# Altium PCB MODULE_GSM_GNSS_v1.1.PcbDoc (part 2 of 2)
Units mm, origin at the board's own origin, x right, y up, seen from the top; angles counter-clockwise.
Board outline 87.3 x 95.5 mm, 4 copper layers (Top Layer, Int1 (GND), Int2 (PWR), Bottom Layer), stack 1.369 mm thick; 169 components, 97 nets, 647 pads, 309 vias.
Unrouted connection lines stored in the file: 5.
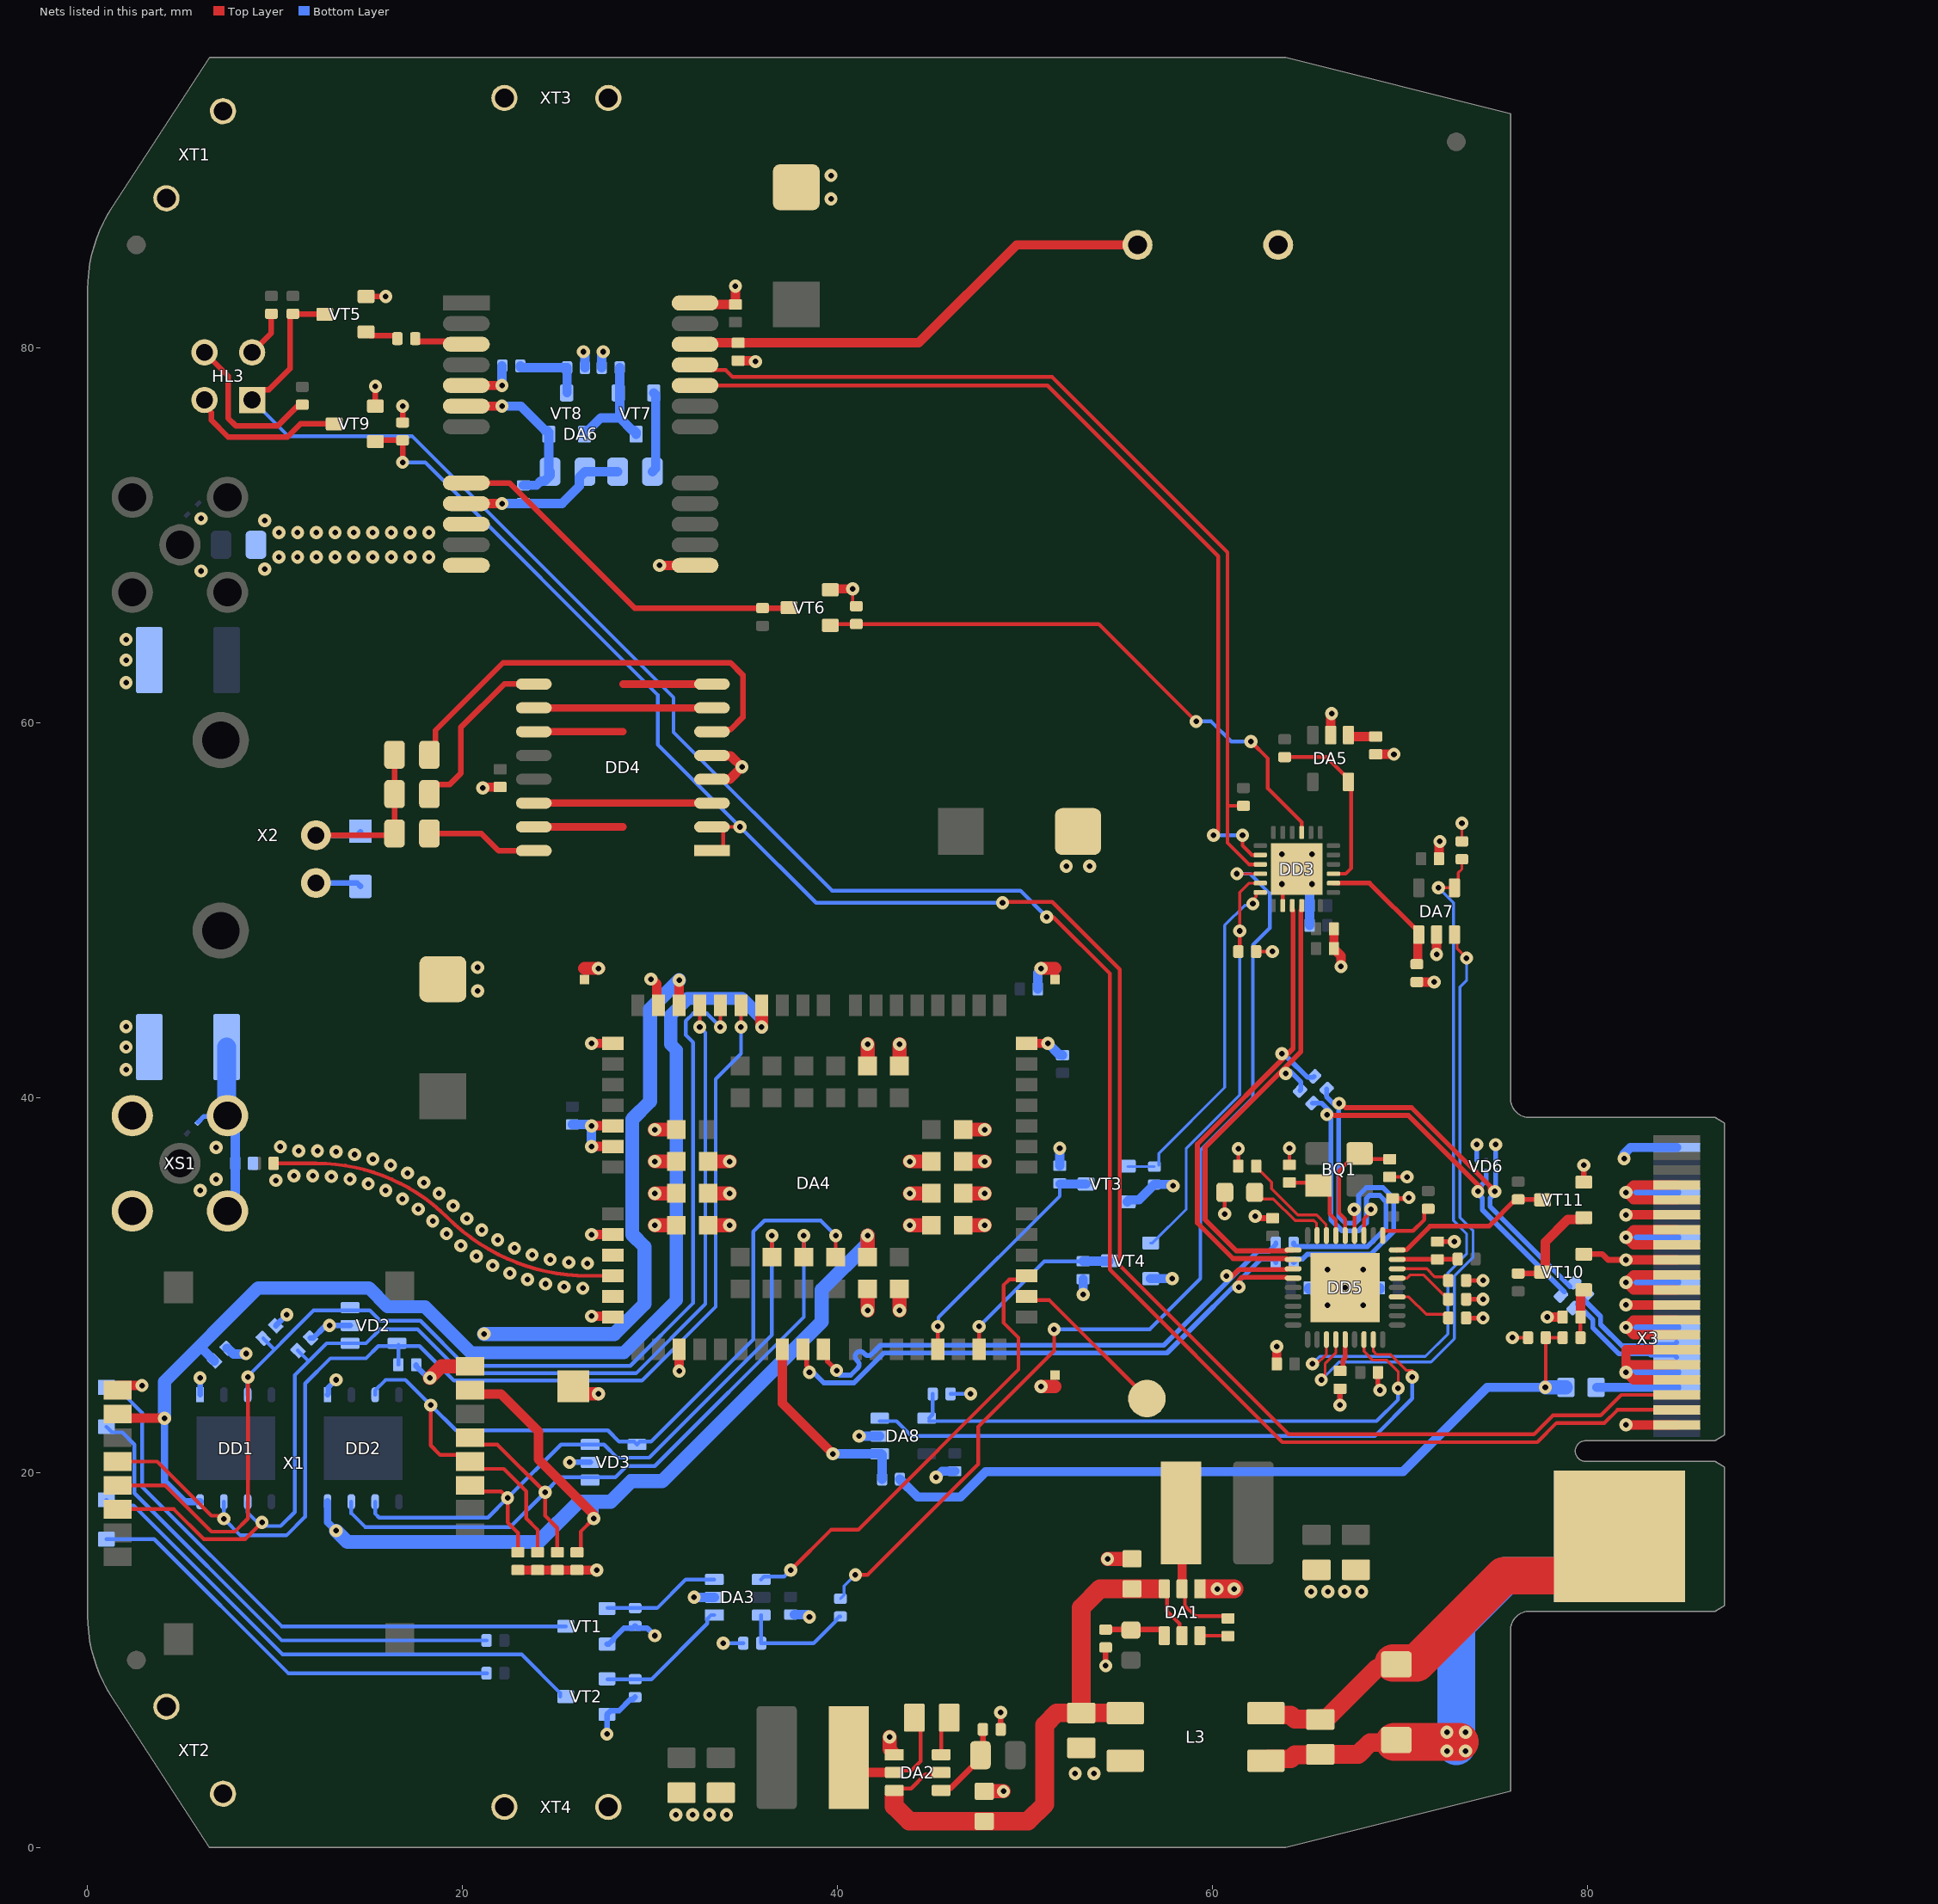
[diagram p4: the nets of this part, all layers, seen from the top]

## Via types
v1: diameter 0.7, hole 0.3, Top Layer to Bottom Layer, tented both sides, 300 vias
v2: diameter 0.7, hole 0.3, Top Layer to Bottom Layer, tented bottom, 9 vias

## Nets (pads, with @x,y where several pads share a name; then routed paths per layer and width w, separated by ;. In a path a pad name is that pad's centre, name@x,y a point inside that pad or via, vN(x,y) a via of type N, cw(c..) or ccw(c..) an arc to the next point about the centre after c; other vN are vias at no path point) (continued)
GND: C1.2 C2.2 C6.2 C7.2 C8.1 C9.2 C10.2 C11.2 C12.2 C13.2 C23.1 C24.1 C25.1 C26.C C28.1 C29.C C30.2 C31.1 C32.1 C33.2 C34.2 C35.2 C36.C C37.1 C39.1 C41.2 C42.2 C43.2 C44.2 C45.2 C46.1 C47.2 C48.2 C49.2 C50.2 C51.2 C52.2 C53.1 C54.1 DA1.1 DA2.1 DA3.2 DA4.3 DA4.31 DA4.48 DA4.50 DA4.54 DA4.55 DA4.58 DA4.59 DA4.61 DA4.62 DA4.67 DA4.68 DA4.69 DA4.70 DA4.71 DA4.72 DA4.73 DA4.74 DA4.79 DA4.80 DA4.81 DA4.82 DA4.89 DA4.90 DA4.91 DA4.100 DA4.101 DA4.102 DA4.103 DA4.104 DA4.105 DA4.106 DA5.2 DA6.10 DA6.12 DA6.13 DA6.24 DA7.2 DA8.2 DD3.2 DD3.EP DD4.4 DD4.5 DD5.EP G1.C L3.4 R2.2 R4.2 R6.1 R8.1 R9.2 R10.2 R12.1 R18.2 R22.2 R23.1 R25.2 R27.2 R32.1 R35.1 R36.1 R38.2 R44.1 R45.1 R46.1 VD5.A VD6.4 VT1.2 VT2.2 VT3.2 VT4.2 VT5.2 VT6.2 VT9.2 VT10.2 VT11.2 X2.2 X3.1 X3.7 X3.9 X3.10 X3.11 X3.13 X3.15 X3.16 X3.17 X3.19 X3.21 X3.22 X3.23 X3.25 X3.27 X3.28 X3.29 X3.31 X3.33 X3.34 X3.40 | length 175.1
  Top Layer w0.15: v1(40.8,67.15) 40.8,66.422 40.997,66.225 R18.2@41,66.225 ; R45.1@73.3,53.675 v1(73.3,54.65)
  Top Layer w0.2: v1(60.65,33.8) R44.1@60.65,34.95 ; C45.2@61.375,36.35 v1(61.375,37.275) ; R10.2@62.325,47.8 v1(63.2,47.8) ; DD3.2@63.75,50.25 DD3.EP@63.75,51.45 ; C42.2@64.1,36.425 v1(64.1,37.3) ; C43.2@69.45,35.775 v1(70.375,35.775) ; v1(76,27.2) R38.2@76.825,27.2
  Top Layer w0.25: v1@68.825,24.4 C50.2@68.825,25.35 ; C51.2@69.6,34.625 v1@70.475,34.625 ; C41.2@72,32.325 v1(72.9,32.325) ; R32.1@73.525,28.25 v1(74.425,28.25) ; R35.1@73.525,29.25 v1(74.425,29.25) ; R36.1@73.525,30.25 v1(74.425,30.25)
  Top Layer w0.3: VT5.2@14.85,82.75 v1(15.9,82.75) ; VT9.2@15.35,76.9 v1(15.35,77.95) ; R27.2@16.8,76.025 v1(16.8,76.9) ; R4.2@48.7,6.3 v1(48.7,7.2) ; v1(54.3,9.7) R2.2@54.3,10.675 ; v1@62.275,33.575 C52.2@63.2,33.575 ; v1(66.8,23.6) C44.2@66.8,24.475 ; VT10.2@79.8,31.65 80.8,31.65 81.1,31.35 v1(82.05,31.35) ; VT11.2@79.8,35.5 v1(79.8,36.4)
  Top Layer w0.4: v1(26.416,29.84) v1@26.497,29.84 ; v1(26.659,31.164) v1@26.74,31.164 ; DA4.105@51.6,46.3 51.6,46.9
  Top Layer w0.5: v1@21.075,56.575 C39.1@22,56.575 ; v1(26.875,28.35) DA4.62@28.025,28.35 ; v1(26.875,32.7) DA4.58@28.025,32.7 ; v1(26.875,37.4) DA4.55@28.025,37.4 ; v1(26.875,38.5) DA4.54@28.025,38.5 ; v1(26.875,42.9) DA4.50@28.025,42.9 ; v1@30.075,46.35 30.35,46.075 DA4.48@30.35,44.925 ; v1(30.5,68.4) DA6.13@32.4,68.4 ; v1(31.55,25.425) DA4.3@31.55,26.575 ; DA6.24@32.4,82.4 33.331,82.4 33.406,82.325 C35.2@34.55,82.325 v1(34.55,83.3) ; DD4.5@33.319,58.241 34.309,58.241 v1(34.9,57.65) 34.25,57 DD4.4@33.34,57 ; C37.1@34.7,79.325 v1@35.625,79.325 ; VT6.2@39.663,67.15 v1(40.8,67.15) ; DA4.31@50.075,42.9 v1(51.225,42.9) ; C49.2@63.425,25.8 v1(63.425,26.725) ; DA5.2@66.3,59.35 v1@66.3,60.5 ; C33.2@66.475,49.01 C31.1@66.475,47.96 66.475,47.89 66.5,47.865 66.557,47.865 66.85,47.572 v1(66.85,47) ; C30.2@68.7,58.325 v1(69.675,58.325) ; v1(71.95,47.65) DA7.2@71.95,48.7 ; C53.1@72.075,52.75 v1@72.075,53.675 ; v1(77.85,28.3) C46.1@78.675,28.3 ; v1(82.05,22.55) X3.1@84.75,22.55 ; v1(82.05,28.95) X3.17@84.75,28.95 ; v1(82.05,31.35) X3.23@84.75,31.35 ; v1(82.05,33.75) X3.29@84.75,33.75 ; X3.7@84.75,24.95 82.45,24.95 v1(82.05,25.35) 82.05,25.75 ; X3.9@84.75,25.75 82.05,25.75 ; X3.11@84.75,26.55 82.05,26.55 82.05,25.75 ; X3.13@84.75,27.35 82.45,27.35 v1(82.05,27.75) 82.45,28.15 X3.15@84.75,28.15 ; X3.19@84.75,29.75 82.45,29.75 v1(82.05,30.15) 82.45,30.55 X3.21@84.75,30.55 ; X3.25@84.75,32.15 82.45,32.15 v1(82.05,32.55) 82.45,32.95 X3.27@84.75,32.95 ; X3.31@84.75,34.55 82.45,34.55 v1(82.05,34.95) 82.45,35.35 X3.33@84.75,35.35
  Top Layer w0.7: DA4.103@26.5,24.2 v1(27.25,24.2) ; 26.5,46.9 v1(27.25,46.9) ; v1(50.85,24.6) 51.6,24.6 ; v1(50.85,46.9) 51.6,46.9
  Top Layer w0.75: v1(30.25,33.2) DA4.82@31.4,33.2 ; v1(30.25,34.9) DA4.81@31.4,34.9 ; v1(30.25,36.6) DA4.80@31.4,36.6 ; v1(30.25,38.3) DA4.79@31.4,38.3 ; DA4.102@33.1,33.2 v1(34.25,33.2) ; DA4.101@33.1,34.9 v1(34.25,34.9) ; DA4.100@33.1,36.6 v1(34.25,36.6) ; v1(41.6,28.65) DA4.67@41.6,29.8 ; DA4.74@41.6,41.7 v1(41.6,42.85) ; v1(42.775,5.9) 42.775,5.225 DA2.1@42.95,5.05 ; v1(43.3,28.65) DA4.68@43.3,29.8 ; DA4.73@43.3,41.7 v1(43.3,42.85) ; v1(43.85,33.2) DA4.89@45,33.2 ; v1(43.85,34.9) DA4.90@45,34.9 ; v1(43.85,36.6) DA4.91@45,36.6 ; DA4.69@46.7,33.2 v1(47.85,33.2) ; DA4.70@46.7,34.9 v1(47.85,34.9) ; DA4.71@46.7,36.6 v1(47.85,36.6) ; DA4.72@46.7,38.3 v1(47.85,38.3) ; C2.2@47.825,3 v1(48.85,3) ; v1(54.4,15.4) C1.2@55.7,15.4
  Top Layer w1: DA1.1@59.625,13.8 v1(60.25,13.8) v1(61.15,13.8)
  Bottom Layer w0.2: v1(33.9,10.9) R12.1@34.975,10.9 ; R46.1@46.025,24.2 v1(47.1,24.2)
  Bottom Layer w0.25: VD6.4@74.1,36.65 v1(74.1,37.5)
  Bottom Layer w0.3: X2.2@12.18,51.46 14.375,51.46 VD5.A@14.55,51.285 ; v1(27.7,6.05) VT2.2@27.7,7.1 27.9,7.3 28.35,7.3 28.95,7.9 29.075,7.9 R8.1@29.2,8.025 ; VT1.2@27.7,10.85 27.8,10.85 28.05,11.1 28.05,11.15 28.6,11.7 29.075,11.7 R6.1@29.2,11.825 29.325,11.7 29.85,11.7 v1(30.25,11.3)
  Bottom Layer w0.5: C24.1@25.85,38.575 26.746,38.575 26.875,38.446 v1(26.875,37.4) ; v1(26.45,79.8) 26.525,79.725 R23.1@26.525,78.95 ; R22.2@27.425,78.95 27.425,79.725 v1(27.5,79.8) ; v1(32.35,13.35) DA3.2@33.425,13.35 ; C13.2@37.69,12.425 38.375,12.425 v1(38.5,12.3) ; v1(41.15,21.95) DA8.2@42.25,21.95 ; v1(45.25,19.75) 45.575,20.075 C54.1@46.25,20.075 ; C28.1@50.675,45.8 50.675,46.671 50.85,46.846 v1(50.85,46.9) ; v1(51.225,42.9) 51.825,42.3 51.975,42.3 C23.1@52,42.275 ; C11.2@51.85,36.375 v1(51.85,37.3) ; v1(53.1,29.5) C12.2@53.1,30.325 ; VT3.2@55.45,34.45 55.55,34.55 56.075,34.55 R9.2@56.9,35.375 v1@57.825,35.375 ; VT4.2@56.7,30.35 v1(57.85,30.35) ; C47.2@65.125,29.85 65.125,29.78 65.15,29.755 65.295,29.755 v2(66.125,28.925) ; C32.1@65.175,49.2 C34.2@65.175,50.25 65.175,51.221 65.3,51.346 v2(65.3,51.4) ; v2(68.025,28.925) 68.855,29.755 68.9,29.755 68.925,29.78 C48.2@68.925,29.85 ; v1(81.95,36.75) 81.95,37 82.3,37.35 X3.40@84.75,37.35 ; v1(82.05,25.35) X3.10@84.75,25.35 ; v1(82.05,27.75) X3.16@84.75,27.75 ; v1(82.05,30.15) X3.22@84.75,30.15 ; v1(82.05,32.55) X3.28@84.75,32.55 ; v1(82.05,34.95) X3.34@84.75,34.95
  other v1: 31.375,1.75 32.275,1.75 33.175,1.75 34.075,1.75 52.675,3.95 53.675,3.95 65.25,13.65 66.15,13.65 67.05,13.65 67.95,13.65 68.925,24.4 25.418,29.909 24.43,30.066 23.461,30.31 22.516,30.639 21.605,31.051 25.66,31.217 24.672,31.371 20.734,31.542 23.704,31.624 22.767,31.973 19.91,32.108 21.87,32.415 19.139,32.746 21.022,32.945 18.407,33.426 20.231,33.557 62.275,33.675 17.632,34.058 19.498,34.237 16.793,34.603 70.475,34.675 18.744,34.894 6,35.05 15.901,35.055 57.9,35.3 14.966,35.409 17.932,35.477 10.038,35.59 6.85,35.65 13.998,35.661 13.008,35.798 11.008,35.831 12.008,35.831 17.067,35.98 16.16,36.399 15.216,36.731 14.245,36.971 13.256,37.118 11.258,37.169 12.258,37.171 6.85,37.35 10.281,37.383 20.8,45.7 30.05,46.325 20.8,46.95 52.2,52.35 53.45,52.35 72.125,53.675 21.075,56.525 66.35,60.5 6.05,68.1 9.45,68.2 10.2,68.85 11.2,68.85 12.2,68.85 13.2,68.85 14.2,68.85 15.2,68.85 16.2,68.85 17.2,68.85 18.2,68.85 10.2,70.15 11.2,70.15 12.2,70.15 13.2,70.15 14.2,70.15 15.2,70.15 16.2,70.15 17.2,70.15 18.2,70.15 9.45,70.8 6.05,70.9 35.625,79.275 39.65,87.95 39.65,89.2
  other v2: 67.075,29.875 66.125,30.825 68.025,30.825 63.7,51.4 63.7,53 65.3,53
GNSS_PPS: DA6.3 R16.1 | length 2.9
  Top Layer w0.3: R16.1@17.475,80.5 17.475,80.475 17.6,80.35 19.065,80.35 19.215,80.2 DA6.3@20.2,80.2
GNSS_RESET: DD3.15 R18.1 VT6.1 | length 30.9
  Top Layer w0.2: VT6.1@39.688,65.275 R18.1@41,65.275 53.925,65.275 v1(59.125,60.075) ; v1(62.05,59) 62.95,58.1 62.95,56.5 64.75,54.7 DD3.15@64.75,54.15
  Bottom Layer w0.2: v1(59.125,60.075) 59.925,60.075 61,59 v1(62.05,59)
GSM_PWRKEY: DD3.24 R9.1 VT3.1 | length 18.4
  Top Layer w0.15: v1@62.2,50.45 62.2,50.6 62.322,50.722 62.322,50.9 62.372,50.95 DD3.24@62.55,50.95
  Bottom Layer w0.15: VT3.1@55.475,36.325 R9.1@56.9,36.325 ; R9.1@57.135,36.4 57.135,37.035 60.65,40.55 60.65,49.2 61.718,50.268 62.068,50.268 v1(62.15,50.35)
GSM_RESET: DD3.23 R10.1 VT4.1 | length 23.2
  Top Layer w0.15: v1(61.45,48.9) 61.45,50.95 61.95,51.45 DD3.23@62.55,51.45
  Top Layer w0.2: R10.1@61.375,47.8 61.45,47.875 v1(61.45,48.9)
  Bottom Layer w0.15: VT4.1@56.7,32.25 56.793,32.25 58.6,34.057 58.6,37.3 61.45,40.15 v1(61.45,48.9)
GSM_SIM_SEL: DD3.22 R11.1 | length 53.8
  Top Layer w0.15: v1@61.4,51.95 DD3.22@62.55,51.95
  Top Layer w0.2: v1(40.95,14.55) 41.6,14.55 47.5,20.45 47.5,22.45 51.55,26.5 v1(51.55,27.65)
  Bottom Layer w0.15: R11.1@40.15,13.275 40.153,13.275 40.35,13.472 40.35,13.95 v1(40.95,14.55)
  Bottom Layer w0.2: v1(51.55,27.65) 56.65,27.65 59.35,30.35 59.35,37.2 62.15,40 62.15,48.15 63.05,49.05 63.05,50.9 62,51.95 v1(61.3,51.95)
HUB_D_N: DD5.30 R33.2 R43.1 R49.2 VD6.2 | length 38.4
  Top Layer w0.2: DD5.30@68.075,32.65 68.075,33.525 v1@68.5,33.95
  Top Layer w0.265: v1@66.143,39.057 70.443,39.057 v1@74.325,35.175
  Bottom Layer w0.265: R49.2@64.325,32.25 64.325,32.18 64.44,32.065 68.265,32.065 69.25,33.05 69.25,34.45 68.915,34.785 68.378,34.785 68.207,34.615 68.207,33.321 67.786,32.9 66.914,32.9 66.318,33.496 66.318,39.22 65.824,39.714 R43.1@65.336,39.714 ; VD6.2@74.6,36.05 74.6,35.6 74.339,35.339 74.339,35.306 74.15,35.118 v1(74.15,35) 74.15,34.882 74.393,34.64 74.393,34.021 R33.2@78.775,29.638
  other v1: 68.45,34.05 66.1,39.1
HUB_D_P: DD5.31 R34.2 R42.1 R48.2 VD6.1 | length 38.8
  Top Layer w0.2: DD5.31@67.575,32.65 v1@67.575,33.875
  Top Layer w0.265: v1@66.868,39.7 67.096,39.471 70.615,39.471 74.815,35.272 v1@74.815,35
  Bottom Layer w0.265: R48.2@64.325,31.2 64.525,31.4 64.8,31.4 65.05,31.65 68.436,31.65 69.665,32.878 69.665,34.622 69.086,35.2 68.206,35.2 67.793,34.786 67.793,33.493 67.615,33.315 67.085,33.315 66.732,33.668 v1@66.732,39.392 ; R42.1@66.086,40.464 66.086,40.038 v1@66.587,39.537 ; VD6.1@75.1,36.05 75.1,35.05 v1(75.05,35) 75.05,34.882 74.807,34.64 74.807,34.193 R34.2@79.068,29.932
  other v1: 67.55,34.05 66.75,39.7
HUB_VCC: L4.2 R37.1 R38.1 R47.2 R50.2 VD6.6 | length 43.6
  Top Layer w0.2: v1@77.775,24.575 R38.1@77.775,27.2 R37.1@78.675,27.2
  Top Layer w0.5: R47.2@70.9,46.175 v1(71.825,46.175)
  Bottom Layer w0.25: VD6.6@75.1,36.65 v1(75.1,37.5)
  Bottom Layer w0.5: R50.2@43.325,19.65 44.275,18.7 46.55,18.7 47.9,20.05 70.15,20.05 74.65,24.55 v1(77.75,24.55)
  Bottom Layer w0.75: v1(77.75,24.55) L4.2@78.85,24.55
NetBQ1_1: BQ1.1 C42.1 DD5.33 | length 4.4
  Top Layer w0.2: C42.1@64.1,35.475 BQ1.1@65.5,35.475 ; BQ1.1@65.75,35.35 66.25,34.85 66.25,33.8 66.575,33.475 DD5.33@66.575,32.65
NetBQ1_3: BQ1.3 C43.1 DD5.32 | length 6.3
  Top Layer w0.2: DD5.32@67.075,32.65 67.075,33.525 66.75,33.85 66.75,36.1 67.206,36.556 67.406,36.556 BQ1.3@67.85,37 ; BQ1.3@68.175,36.725 C43.1@69.45,36.725
NetC1_1: C1.1 C2.1 C8.2 DA1.3 DA1.5 DA2.3 DA2.5 L3.3 | length 34
  Top Layer w0.2: DA2.3@43.025,3.05 43.125,3.15 43.925,3.15 44.675,3.9 45.425,3.9 DA2.5@45.525,4 ; DA1.3@57.425,13.8 57.575,13.65 57.575,12.6 58.235,11.94 58.235,11.44 DA1.5@58.375,11.3
  Top Layer w1: DA2.3@43.025,2.75 43.025,2.2 43.825,1.4 C2.1@47.825,1.4 50.15,1.4 51.05,2.3 51.05,6.544 51.686,7.18 C8.2@53,7.18 ; L3.3@55.34,7.18 C8.2@53,7.18 ; DA1.3@57.125,13.8 54,13.8 53,12.8 C8.2@53,7.18
NetC3_1: C3.1 DA1.2 L1.1 | length 7.4
  Top Layer w0.2: DA1.2@58.375,13.8 58.525,13.65 58.525,12.9 59.075,12.35 C3.1@60.7,12.35
  Top Layer w0.5: L1.1@58.375,17.8 DA1.2@58.375,13.8 DA1.2@58.4,13.825
NetC3_2: C3.2 DA1.6 | length 1.5
  Top Layer w0.2: DA1.6@59.325,11.3 60.8,11.3 C3.2@60.825,11.275
NetC4_1: C4.1 DA2.2 L2.1 | length 6.5
  Top Layer w0.2: DA2.2@43.025,4 43.125,4.1 43.925,4.1 44.425,4.6 C4.1@44.425,6.925
  Top Layer w0.5: L2.1@40.475,4 DA2.2@43.025,4
NetC4_2: C4.2 DA2.6 | length 2
  Top Layer w0.2: DA2.6@45.525,4.95 45.525,6.575 C4.2@45.825,6.875
NetC11_1: C11.1 DA4.15 VT3.3 | length 13
  Top Layer w0.2: DA4.15@45.35,26.575 v1(45.35,27.8)
  Bottom Layer w0.2: v1(45.35,27.8) 45.385,27.835 45.385,28.285 51.85,34.75 C11.1@51.85,35.425 C11.1@51.875,35.4
  Bottom Layer w0.5: C11.1@51.875,35.4 VT3.3@53.25,35.4
NetC12_1: C12.1 DA4.17 VT4.3 | length 9.6
  Top Layer w0.2: DA4.17@47.55,26.575 v1(47.55,27.8)
  Bottom Layer w0.2: v1(47.55,27.8) 51.025,31.275 C12.1@53.1,31.275
  Bottom Layer w0.5: C12.1@53.1,31.275 VT4.3@54.475,31.275
NetC22_2: C22.2 DA4.60 | length 19.7
  Top Layer w0.199: C22.2@9.925,36.5 12.199,36.5 cw(c12.199,26.599) 19.2,33.6 ccw(c26.684,41.084) 26.684,30.5 DA4.60@28.025,30.5
NetC25_2: C25.2 C27.2 VDS1.A XS1.2 | length 10.5
  Bottom Layer w0.25: VDS1.A@5.897,38.697 6.208,39.008 7.431,39.008 XS1.2@7.462,39.04
  Bottom Layer w0.5: XS1.2@7.875,33.96 C25.2@7.875,36.5 XS1.2@7.875,39.04
  Bottom Layer w1: C27.2@7.41,42.7 7.41,39.04 XS1.2@7.462,39.04
NetC30_1: C30.1 DA5.1 | length 1.5
  Top Layer w0.5: DA5.1@67.25,59.325 67.3,59.275 C30.1@68.7,59.275
NetC37_2: C37.2 DA6.22 G1.A | length 25.8
  Top Layer w0.5: DA6.22@32.4,80.2 33.331,80.2 33.406,80.275 C37.2@34.7,80.275 44.325,80.275 49.55,85.5 G1.A@56,85.5
NetC38_1: C38.1 DA6.9 R20.2 R21.1 | length 9
  Top Layer w0.5: DA6.9@20.2,71.7 v1(22.1,71.7)
  Bottom Layer w0.5: v1(22.1,71.7) 22.991,71.7 25.3,71.7 26.23,72.63 26.23,73.1 R20.2@26.53,73.4 R21.1@28.27,73.4
NetC38_2: C38.2 DA6.6 R20.1 VT8.2 | length 9
  Top Layer w0.5: DA6.6@20.2,76.9 v1(22.1,76.9)
  Bottom Layer w0.5: v1(22.1,76.9) 23.1,76.9 24.4,75.6 24.5,75.6 24.6,75.5 VT8.2@24.6,75.4 R20.1@24.6,73.27 ; C38.2@23.25,72.675 23.945,72.675 24.17,72.9 24.37,72.9 24.67,73.2 R20.1@24.67,73.4
NetC41_1: C41.1 DD5.26 R31.2 | length 3.2
  Top Layer w0.25: DD5.26@69.85,31.375 C41.1@72,31.375 R31.2@73.075,31.375
NetC44_1: C44.1 DD5.14 | length 1.8
  Top Layer w0.25: C44.1@66.8,25.425 66.95,25.575 66.95,26 67.075,26.125 DD5.14@67.075,27.1
NetC45_1: C45.1 DD5.34 | length 5.8
  Top Layer w0.15: C45.1@62.3,36.35 63.15,35.5 63.15,35.15 64.55,33.75 65.55,33.75 66.05,33.25 66.05,32.675 DD5.34@66.075,32.65
NetC46_2: C46.2 R37.2 VT10.1 | length 2.6
  Top Layer w0.2: R37.2@79.625,27.2 C46.2@79.625,28.3
  Top Layer w0.5: C46.2@79.625,28.3 79.625,29.65 VT10.1@79.725,29.75
NetDA1_4: DA1.4 R1.1 R2.1 | length 3.2
  Top Layer w0.3: R2.1@54.3,11.625 57.275,11.625 DA1.4@57.425,11.475
NetDA2_4: DA2.4 R3.1 R4.1 | length 4.4
  Top Layer w0.3: DA2.4@45.525,3.05 45.65,3.175 46.05,3.175 47.75,4.875 47.75,4.925 R4.1@47.75,6.3
NetDA3_1: DA3.1 R8.2 VT2.1 | length 7.3
  Bottom Layer w0.2: VT2.1@27.725,8.975 R8.2@29.2,8.975 30.075,8.975 33.05,11.95 33.05,12.2 33.25,12.4 DA3.1@33.425,12.4
NetDA3_3: DA3.3 R6.2 VT1.1 | length 6.3
  Bottom Layer w0.2: VT1.1@27.725,12.775 R6.2@29.2,12.775 30.375,12.775 31.9,14.3 DA3.3@33.425,14.3
NetDA3_4: DA3.4 DA4.21 | length 24.6
  Top Layer w0.2: v1(37.5,14.8) 39.65,16.95 41.1,16.95 49.65,25.5 49.65,27.2 48.85,28 48.85,30 49.15,30.3 49.875,30.3 DA4.21@50.075,30.5
  Bottom Layer w0.2: DA3.4@35.925,14.3 36.075,14.45 37.15,14.45 v1(37.5,14.8)
NetDA3_6: DA3.6 R11.2 R12.2 | length 6.4
  Bottom Layer w0.2: DA3.6@35.925,12.4 R12.2@35.925,10.9 38.725,10.9 39.911,12.086 39.911,12.151 40.085,12.325 R11.2@40.15,12.325
NetDA4_20: DA4.20 TP1.1 | length 8.7
  Top Layer w0.2: DA4.20@50.075,29.4 50.275,29.2 51.3,29.2 TP1.1@56.5,24
NetDA6_5: DA6.5 R24.1 | length 3
  Top Layer w0.5: DA6.5@20.2,78 v1(22.1,78)
  Bottom Layer w0.5: v1(22.1,78) R24.1@22.1,79.05
NetDA6_8: DA6.8 R17.1 VT6.3 | length 20
  Top Layer w0.3: DA6.8@20.2,72.8 22.5,72.8 29.175,66.125 R17.1@36,66.125 VT6.3@37.388,66.125
NetDA6_20: DA6.20 DD3.20 | length 49.8
  Top Layer w0.2: DA6.20@32.4,78 51.2,78 60.305,68.895 v1@60.305,54.05 ; v1(61.6,54) 61.6,53.45 62.094,52.956 62.544,52.956 DD3.20@62.55,52.95
  Bottom Layer w0.2: v1(60.05,54) v1(61.6,54)
NetDA6_21: DA6.21 DD3.21 R19.2 | length 51.1
  Top Layer w0.2: DA6.21@32.4,79.1 32.683,78.817 34.033,78.817 34.4,78.45 51.45,78.45 60.8,69.1 60.8,53.6 61.95,52.45 DD3.21@62.55,52.45 ; 60.825,55.575 R19.2@61.65,55.575
NetDA7_3: DA7.3 DD5.13 | length 33.3
  Top Layer w0.15: v1(65.8,24.95) 66,25.15 66,25.8 66.575,26.375 DD5.13@66.575,27.1 ; DA7.3@72.9,48.7 73.05,48.55 73.05,47.95 v1(73.55,47.45)
  Bottom Layer w0.15: v1(65.8,24.95) 66.75,25.9 71.65,25.9 72.9,27.15 72.9,30.5 73.9,31.5 73.9,32.9 73.2,33.6 73.2,45.9 73.55,46.25 v1(73.55,47.45) v1@73.55,47.6
NetDA7_4: DA7.4 DD5.12 R45.2 | length 37.1
  Top Layer w0.15: v1@65.25,25.75 65.5,25.75 66.075,26.325 DD5.12@66.075,27.1 ; v1(72.05,51.2) DA7.4@72.9,51.2 73.1,51.4 73.1,52 73.3,52.2 R45.2@73.3,52.725
  Bottom Layer w0.15: v1(65.325,25.8) 65.725,26.2 71.35,26.2 72.55,27.4 72.55,30.65 73.55,31.65 73.55,32.75 72.85,33.45 72.85,50.4 v1(72.05,51.2)
NetDA8_3: DA8.3 DD5.17 | length 33.8
  Top Layer w0.15: DD5.17@68.575,27.1 68.575,26.475 68.75,26.3 69.5,26.3 70.35,25.45 v1@70.65,25.45
  Bottom Layer w0.2: DA8.3@42.25,22.75 43.15,22.75 43.95,21.95 68.65,21.95 70.65,23.95 v1(70.65,25.1)
NetDA8_4: DA8.4 DD5.16 R46.2 | length 30.9
  Top Layer w0.15: DD5.16@68.075,27.1 68.075,26.475 68.55,26 69.3,26 69.9,25.4 v1@69.9,24.85
  Bottom Layer w0.2: DA8.4@44.875,22.75 68.75,22.75 69.9,23.9 v1(69.9,24.5) ; DA8.4@44.875,22.9 45.075,23.1 R46.2@45.075,24.2
NetDD4_3: DD4.3 DD4.7 DD4.8 DD4.10 DD4.11 DD4.14 DD4.15 | length 33.3
  Top Layer w0.4: DD4.15@23.8,54.45 28.55,54.45 ; DD4.14@23.8,55.72 28.55,55.72 DD4.3@33.3,55.72 ; DD4.11@23.8,59.53 28.55,59.53 ; DD4.10@23.8,60.8 28.55,60.8 DD4.7@33.3,60.8 ; 28.55,62.07 DD4.8@33.3,62.07
NetDD4_6: DD4.6 R30.1 | length 23.9
  Top Layer w0.3: R30.1@18.55,58.15 18.55,59.6 22.15,63.2 34.3,63.2 34.95,62.55 34.95,60.3 34.3,59.65 33.4,59.65 DD4.6@33.25,59.5
NetDD4_9: DD4.9 R28.1 | length 9.3
  Top Layer w0.3: R28.1@18.15,56.7 19.3,56.7 19.9,57.3 19.9,59.75 22.22,62.07 DD4.9@23.8,62.07
NetDD4_16: DD4.16 R29.1 | length 6
  Top Layer w0.3: R29.1@18.23,54.1 21,54.1 21.92,53.18 DD4.16@23.8,53.18
NetDD5_22: DD5.22 R32.2 | length 3.2